# Altium PCB ZJUD_MainBoard-V3.PcbDoc (part 1 of 2) (continued)
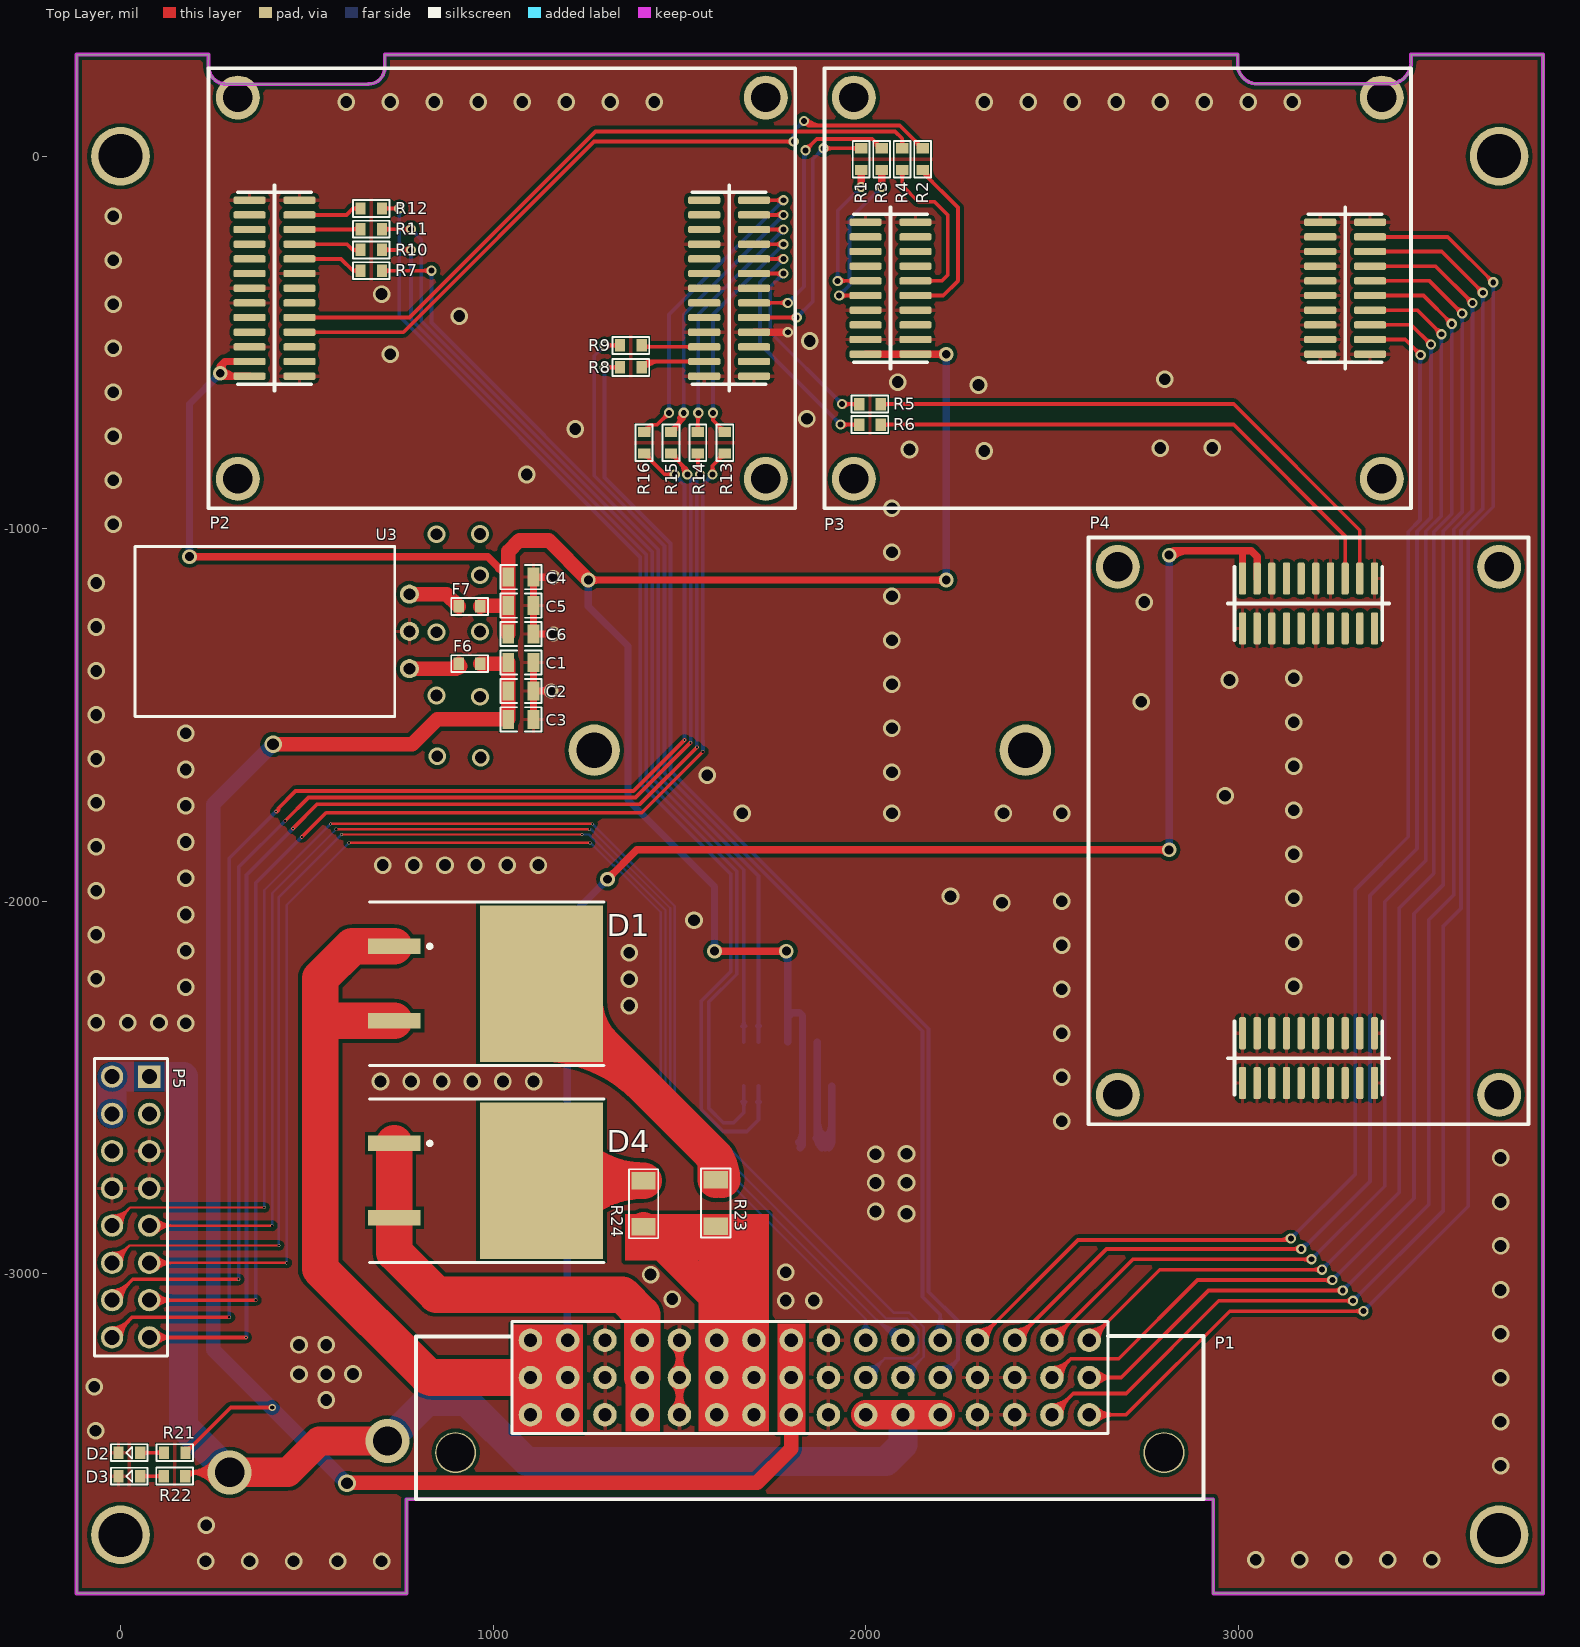
[diagram p0: Top Layer view]
## Via types (continued)

## Nets (pads, with @x,y where several pads share a name; then routed paths per layer and width w, separated by ;. In a path a pad name is that pad's centre, name@x,y a point inside that pad or via, vN(x,y) a via of type N, cw(c..) or ccw(c..) an arc to the next point about the centre after c; other vN are vias at no path point)
485_1_A: P1.13 P3.24 | length 4011.4
  Top Layer w10: P1.13@2276,-3186 2292.94,-3186 P1.13@2300.39,-3178.54 2301.46,-3178.54 2570.55,-2909.45 3137.8,-2909.45 v2(3141.73,-2905.51) ; P1.13@2300.39,-3162.05 ccw(c2300.39,-3119.66) 2330.37,-3149.63 ; P1.13@2300.39,-3152.05 ccw(c2300.39,-3085.51) 2347.44,-3132.56 ; P1.13@2316.89,-3178.54 cw(c2354.15,-3178.54) 2327.8,-3152.2 ; P1.13@2326.89,-3178.54 cw(c2388.29,-3178.54) 2344.87,-3135.13 ; 3111.03,-2909.45 ccw(c3111.03,-2874.81) v2@3135.52,-2899.3 ; P3.24@3354.33,-492.13 3448.82,-492.13 v2(3490.16,-533.46) ; v2@3481.38,-533.46 ccw(c3460.18,-533.46) 3475.17,-518.48 ccw(c3490.16,-503.49) v2@3490.16,-524.68 ; 3399.49,-492.13 ccw(c3399.49,-503.82) 3391.22,-495.55 cw(c3399.49,-503.82) 3399.49,-492.13 ; 3399.49,-492.13 cw(c3399.49,-480.44) 3391.22,-488.7 ccw(c3399.49,-480.44) 3399.49,-492.13
  Bottom Layer w10: v2(3141.73,-2905.51) 3314.96,-2732.28 3314.96,-1968.5 3456.69,-1826.77 3456.69,-1007.94 3488.27,-976.36 3488.27,-535.35 v2(3490.16,-533.46) ; v2@3141.73,-2896.73 ccw(c3141.73,-2875.54) 3156.72,-2890.52 ccw(c3171.71,-2905.51) v2@3150.51,-2905.51 ; v2@3483.95,-539.67 cw(c3473.52,-550.1) 3488.27,-550.1 ccw(c3473.52,-550.1) v2@3483.95,-539.67 ; 3488.27,-559.22 cw(c3515.92,-559.22) 3496.37,-539.67 ccw(c3515.92,-559.22) 3488.27,-559.22
485_1_B: P1.14 P3.26 | length 4148.3
  Top Layer w10: P1.14@2400.39,-3162.05 ccw(c2400.39,-3119.66) 2430.37,-3149.63 ; P1.14@2400.39,-3152.05 ccw(c2400.39,-3085.51) 2447.44,-3132.56 ; P1.14@2406.43,-3184.57 2406.43,-3173.57 2646.65,-2933.35 v2(3169.57,-2933.35) ; P1.14@2416.89,-3178.54 cw(c2454.15,-3178.54) 2427.8,-3152.2 ; P1.14@2426.89,-3178.54 cw(c2488.29,-3178.54) 2444.87,-3135.13 ; P3.26@3354.33,-452.76 3465.13,-452.76 v2(3518,-505.63) ; 3506.76,-496.47 ccw(c3520.63,-492.76) v2@3517.75,-506.82 ; 3508.84,-494.39 cw(c3505.13,-508.26) v2@3519.19,-505.38 ; 3148.38,-2933.35 ccw(c3148.38,-2912.16) 3163.36,-2927.14 cw(c3148.38,-2912.16) 3148.38,-2933.35 ; 3148.38,-2933.35 cw(c3148.38,-2954.55) 3163.36,-2939.56 ccw(c3148.38,-2954.55) 3148.38,-2933.35 ; 3399.49,-452.76 ccw(c3399.49,-464.45) 3391.22,-456.18 cw(c3399.49,-464.45) 3399.49,-452.76 ; 3399.49,-452.76 cw(c3399.49,-441.07) 3391.22,-449.33 ccw(c3399.49,-441.07) 3399.49,-452.76 ; 3503.01,-490.64 ccw(c3518,-475.65) 3518,-496.85 cw(c3518,-475.65) 3503.01,-490.64 ; 3503.01,-490.64 cw(c3488.02,-505.63) 3509.22,-505.63 ccw(c3488.02,-505.63) 3503.01,-490.64
  Bottom Layer w10: v2@3168.41,-2932.96 cw(c3184.95,-2938.51) 3180.44,-2921.66 ; v2(3169.57,-2933.35) 3172.95,-2933.35 3354.33,-2751.97 3354.33,-1984.81 3480.31,-1858.83 3480.31,-1007.37 3518,-969.68 v2(3518,-505.63) ; 3518,-526.82 ccw(c3496.8,-526.82) 3511.79,-511.83 cw(c3496.8,-526.82) 3518,-526.82 ; 3518,-526.82 cw(c3539.19,-526.82) 3524.2,-511.83 ccw(c3539.19,-526.82) 3518,-526.82 ; v2@3169.57,-2924.57 ccw(c3169.57,-2895.22) 3190.32,-2915.97 cw(c3169.57,-2895.22) v2@3169.57,-2924.57 ; v2@3178.35,-2933.35 cw(c3191.39,-2933.35) 3182.17,-2924.13 ccw(c3191.39,-2933.35) v2@3178.35,-2933.35
485_2_A: P1.15 P3.28 | length 4130.9
  Top Layer w10: P1.15@2500.39,-3178.54 2717.75,-2961.19 v2(3197.41,-2961.19) ; P1.15@2500.39,-3162.05 ccw(c2500.39,-3122.22) 2528.55,-3150.38 ccw(c2556.71,-3178.54) P1.15@2516.89,-3178.54 ; P1.15@2500.39,-3152.05 ccw(c2500.39,-3088.08) 2545.63,-3133.31 ccw(c2590.86,-3178.54) P1.15@2526.89,-3178.54 ; P3.28@3354.33,-413.39 3481.43,-413.39 v2(3545.84,-477.79) ; 3534.6,-468.63 ccw(c3548.47,-464.92) v2@3545.59,-478.98 ; 3536.68,-466.55 cw(c3532.97,-480.42) v2@3547.03,-477.54 ; 3176.21,-2961.19 ccw(c3176.21,-2939.99) 3191.2,-2954.98 cw(c3176.21,-2939.99) 3176.21,-2961.19 ; 3176.21,-2961.19 cw(c3176.21,-2982.39) 3191.2,-2967.4 ccw(c3176.21,-2982.39) 3176.21,-2961.19 ; 3399.49,-413.39 ccw(c3399.49,-425.08) 3391.22,-416.81 cw(c3399.49,-425.08) 3399.49,-413.39 ; 3399.49,-413.39 cw(c3399.49,-401.7) 3391.22,-409.96 ccw(c3399.49,-401.7) 3399.49,-413.39 ; 3530.85,-462.8 ccw(c3545.84,-447.81) 3545.84,-469.01 cw(c3545.84,-447.81) 3530.85,-462.8 ; 3530.85,-462.8 cw(c3515.86,-477.79) 3537.06,-477.79 ccw(c3515.86,-477.79) 3530.85,-462.8
  Bottom Layer w10: v2(3197.41,-2961.19) 3393.7,-2764.9 3393.7,-2001.12 3503.94,-1890.88 3503.94,-1006.79 3545.84,-964.9 v2(3545.84,-477.79) ; 3212.4,-2946.2 ccw(c3227.39,-2961.19) 3206.19,-2961.19 cw(c3227.39,-2961.19) 3212.4,-2946.2 ; 3212.4,-2946.2 cw(c3197.41,-2931.21) 3197.41,-2952.41 ccw(c3197.41,-2931.21) 3212.4,-2946.2 ; 3545.84,-498.98 ccw(c3524.64,-498.98) 3539.63,-483.99 cw(c3524.64,-498.98) 3545.84,-498.98 ; 3545.84,-498.98 cw(c3567.03,-498.98) 3552.04,-483.99 ccw(c3567.03,-498.98) 3545.84,-498.98
485_2_B: P1.16 P3.30 | length 4135.5
  Top Layer w10: P1.16@2600.39,-3178.54 2789.91,-2989.03 v2(3225.25,-2989.03) ; P1.16@2600.39,-3162.05 ccw(c2600.39,-3122.22) 2628.55,-3150.38 ccw(c2656.71,-3178.54) P1.16@2616.89,-3178.54 ; P1.16@2600.39,-3152.05 ccw(c2600.39,-3088.08) 2645.63,-3133.31 ccw(c2690.86,-3178.54) P1.16@2626.89,-3178.54 ; P3.30@3354.33,-374.02 3497.74,-374.02 v2(3573.67,-449.95) ; 3562.44,-440.79 ccw(c3576.31,-437.08) v2@3573.43,-451.14 ; 3564.52,-438.72 cw(c3560.81,-452.58) v2@3574.87,-449.7 ; 3204.05,-2989.03 ccw(c3204.05,-2967.83) 3219.04,-2982.82 cw(c3204.05,-2967.83) 3204.05,-2989.03 ; 3204.05,-2989.03 cw(c3204.05,-3010.22) 3219.04,-2995.24 ccw(c3204.05,-3010.22) 3204.05,-2989.03 ; 3399.49,-374.02 ccw(c3399.49,-385.71) 3391.22,-377.44 cw(c3399.49,-385.71) 3399.49,-374.02 ; 3399.49,-374.02 cw(c3399.49,-362.32) 3391.22,-370.59 ccw(c3399.49,-362.32) 3399.49,-374.02 ; 3558.69,-434.96 ccw(c3573.67,-419.97) 3573.67,-441.17 cw(c3573.67,-419.97) 3558.69,-434.96 ; 3558.69,-434.96 cw(c3543.7,-449.95) 3564.89,-449.95 ccw(c3543.7,-449.95) 3558.69,-434.96
  Bottom Layer w10: v2(3225.25,-2989.03) 3433.07,-2781.21 3433.07,-2017.43 3525.35,-1925.14 3525.35,-1008.43 3573.67,-960.11 v2(3573.67,-449.95) ; 3240.24,-2974.04 ccw(c3255.22,-2989.03) 3234.03,-2989.03 cw(c3255.22,-2989.03) 3240.24,-2974.04 ; 3240.24,-2974.04 cw(c3225.25,-2959.05) 3225.25,-2980.25 ccw(c3225.25,-2959.05) 3240.24,-2974.04 ; 3573.67,-471.14 ccw(c3552.48,-471.14) 3567.47,-456.16 cw(c3552.48,-471.14) 3573.67,-471.14 ; 3573.67,-471.14 cw(c3594.87,-471.14) 3579.88,-456.16 ccw(c3594.87,-471.14) 3573.67,-471.14
485_3_A: P1.31 P3.32 | length 4381.5
  Top Layer w10: P1.31@2500.39,-3278.54 2550.94,-3228 2680,-3228 2891.13,-3016.87 v2(3253.09,-3016.87) ; P1.31@2500.39,-3262.05 ccw(c2500.39,-3222.22) 2528.55,-3250.38 ccw(c2556.71,-3278.54) P1.31@2516.89,-3278.54 ; P1.31@2500.39,-3252.05 ccw(c2500.39,-3188.08) 2545.63,-3233.31 ccw(c2590.86,-3278.54) P1.31@2526.89,-3278.54 ; P3.32@3354.33,-334.65 3514.05,-334.65 v2(3601.51,-422.11) ; 3590.28,-412.96 ccw(c3604.15,-409.24) v2@3601.27,-423.3 ; 3592.36,-410.88 cw(c3588.64,-424.74) v2@3602.71,-421.86 ; 3231.89,-3016.87 ccw(c3231.89,-2995.67) 3246.88,-3010.66 cw(c3231.89,-2995.67) 3231.89,-3016.87 ; 3231.89,-3016.87 cw(c3231.89,-3038.06) 3246.88,-3023.08 ccw(c3231.89,-3038.06) 3231.89,-3016.87 ; 3399.49,-334.65 ccw(c3399.49,-346.34) 3391.22,-338.07 cw(c3399.49,-346.34) 3399.49,-334.65 ; 3399.49,-334.65 cw(c3399.49,-322.95) 3391.22,-331.22 ccw(c3399.49,-322.95) 3399.49,-334.65 ; 3586.53,-407.12 ccw(c3601.51,-392.13) 3601.51,-413.33 cw(c3601.51,-392.13) 3586.53,-407.12 ; 3586.53,-407.12 cw(c3571.54,-422.11) 3592.73,-422.11 ccw(c3571.54,-422.11) 3586.53,-407.12
  Bottom Layer w10: v2(3253.09,-3016.87) 3472.44,-2797.51 3472.44,-2033.73 3551.18,-1954.99 3551.18,-1005.65 3601.51,-955.32 v2(3601.51,-422.11) ; 3268.08,-3001.88 ccw(c3283.06,-3016.87) 3261.87,-3016.87 cw(c3283.06,-3016.87) 3268.08,-3001.88 ; 3268.08,-3001.88 cw(c3253.09,-2986.89) 3253.09,-3008.09 ccw(c3253.09,-2986.89) 3268.08,-3001.88 ; 3601.51,-443.3 ccw(c3580.32,-443.3) 3595.31,-428.32 cw(c3580.32,-443.3) 3601.51,-443.3 ; 3601.51,-443.3 cw(c3622.71,-443.3) 3607.72,-428.32 ccw(c3622.71,-443.3) 3601.51,-443.3
485_3_B: P1.32 P3.34 | length 4549.1
  Top Layer w10: P1.32@2600.39,-3278.54 2686.46,-3278.54 2920.29,-3044.71 v2(3280.93,-3044.71) ; P3.34@3354.33,-295.28 3530.36,-295.28 v2(3629.35,-394.27) ; 3618.12,-385.12 ccw(c3631.99,-381.4) v2@3629.11,-395.47 ; 3620.2,-383.04 cw(c3616.48,-396.91) v2@3630.55,-394.03 ; 2640.22,-3278.54 ccw(c2640.22,-3318.37) 2612.06,-3290.21 cw(c2640.22,-3318.37) 2640.22,-3278.54 ; 2640.22,-3278.54 cw(c2640.22,-3238.72) 2612.06,-3266.88 ccw(c2640.22,-3238.72) 2640.22,-3278.54 ; 2664.36,-3278.54 ccw(c2664.36,-3342.51) 2619.13,-3297.28 cw(c2664.36,-3342.51) 2664.36,-3278.54 ; 2664.36,-3278.54 cw(c2664.36,-3214.58) 2619.13,-3259.81 ccw(c2664.36,-3214.58) 2664.36,-3278.54 ; 3259.73,-3044.71 ccw(c3259.73,-3023.51) 3274.72,-3038.5 cw(c3259.73,-3023.51) 3259.73,-3044.71 ; 3259.73,-3044.71 cw(c3259.73,-3065.9) 3274.72,-3050.91 ccw(c3259.73,-3065.9) 3259.73,-3044.71 ; 3399.49,-295.28 ccw(c3399.49,-306.97) 3391.22,-298.7 cw(c3399.49,-306.97) 3399.49,-295.28 ; 3399.49,-295.28 cw(c3399.49,-283.58) 3391.22,-291.85 ccw(c3399.49,-283.58) 3399.49,-295.28 ; 3614.36,-379.28 ccw(c3629.35,-364.3) 3629.35,-385.49 cw(c3629.35,-364.3) 3614.36,-379.28 ; 3614.36,-379.28 cw(c3599.38,-394.27) 3620.57,-394.27 ccw(c3599.38,-394.27) 3614.36,-379.28
  Bottom Layer w10: v2(3280.93,-3044.71) 3511.81,-2813.82 3511.81,-2050.04 3578.74,-1983.11 3578.74,-1001.14 3629.35,-950.53 v2(3629.35,-394.27) ; 3295.91,-3029.72 ccw(c3310.9,-3044.71) 3289.71,-3044.71 cw(c3310.9,-3044.71) 3295.91,-3029.72 ; 3295.91,-3029.72 cw(c3280.93,-3014.73) 3280.93,-3035.93 ccw(c3280.93,-3014.73) 3295.91,-3029.72 ; 3629.35,-415.47 ccw(c3608.16,-415.47) 3623.14,-400.48 cw(c3608.16,-415.47) 3629.35,-415.47 ; 3629.35,-415.47 cw(c3650.55,-415.47) 3635.56,-400.48 ccw(c3650.55,-415.47) 3629.35,-415.47
485_4_A: P1.47 P3.36 | length 4632.1
  Top Layer w10: P1.47@2500.39,-3378.54 2557.6,-3321.34 2699.66,-3321.34 2948.45,-3072.55 v2(3308.77,-3072.55) ; P1.47@2500.39,-3362.05 ccw(c2500.39,-3322.22) 2528.55,-3350.38 ccw(c2556.71,-3378.54) P1.47@2516.89,-3378.54 ; P1.47@2500.39,-3352.05 ccw(c2500.39,-3288.08) 2545.63,-3333.31 ccw(c2590.86,-3378.54) P1.47@2526.89,-3378.54 ; P3.36@3354.33,-255.91 3546.67,-255.91 v2(3657.19,-366.43) ; 3645.96,-357.28 ccw(c3659.83,-353.56) v2@3656.95,-367.63 ; 3648.04,-355.2 cw(c3644.32,-369.07) v2@3658.39,-366.19 ; 3287.57,-3072.55 ccw(c3287.57,-3051.35) 3302.56,-3066.34 cw(c3287.57,-3051.35) 3287.57,-3072.55 ; 3287.57,-3072.55 cw(c3287.57,-3093.74) 3302.56,-3078.75 ccw(c3287.57,-3093.74) 3287.57,-3072.55 ; 3399.49,-255.91 ccw(c3399.49,-267.6) 3391.22,-259.33 cw(c3399.49,-267.6) 3399.49,-255.91 ; 3399.49,-255.91 cw(c3399.49,-244.21) 3391.22,-252.48 ccw(c3399.49,-244.21) 3399.49,-255.91 ; 3642.2,-351.44 ccw(c3657.19,-336.46) 3657.19,-357.65 cw(c3657.19,-336.46) 3642.2,-351.44 ; 3642.2,-351.44 cw(c3627.22,-366.43) 3648.41,-366.43 ccw(c3627.22,-366.43) 3642.2,-351.44
  Bottom Layer w10: v2(3308.77,-3072.55) 3551.18,-2830.13 3551.18,-2066.35 3598.43,-2019.11 3598.43,-1004.51 3657.19,-945.74 v2(3657.19,-366.43) ; 3323.75,-3057.56 ccw(c3338.74,-3072.55) 3317.55,-3072.55 cw(c3338.74,-3072.55) 3323.75,-3057.56 ; 3323.75,-3057.56 cw(c3308.77,-3042.57) 3308.77,-3063.77 ccw(c3308.77,-3042.57) 3323.75,-3057.56 ; 3657.19,-387.63 ccw(c3636,-387.63) 3650.98,-372.64 cw(c3636,-387.63) 3657.19,-387.63 ; 3657.19,-387.63 cw(c3678.39,-387.63) 3663.4,-372.64 ccw(c3678.39,-387.63) 3657.19,-387.63
485_4_B: P1.48 P3.38 | length 4471.7
  Top Layer w10: P1.48@2600.39,-3378.54 2699.46,-3378.54 2977.62,-3100.38 v2(3336.6,-3100.38) ; P1.48@2612.06,-3390.21 cw(c2640.22,-3418.37) 2640.22,-3378.54 cw(c2640.22,-3338.72) P1.48@2612.06,-3366.88 ; P1.48@2619.13,-3397.28 cw(c2664.36,-3442.51) 2664.36,-3378.54 cw(c2664.36,-3314.58) P1.48@2619.13,-3359.81 ; v2@3330.4,-3106.59 ccw(c3315.41,-3121.58) 3315.41,-3100.38 ccw(c3315.41,-3079.19) v2@3330.4,-3094.18 ; P3.38@3354.33,-216.54 3562.97,-216.54 v2(3685.03,-338.59) ; v2@3676.25,-338.59 ccw(c3655.05,-338.59) 3670.04,-323.6 ccw(c3685.03,-308.62) v2@3685.03,-329.81 ; 3399.49,-216.54 ccw(c3399.49,-228.23) 3391.22,-219.96 cw(c3399.49,-228.23) 3399.49,-216.54 ; 3399.49,-216.54 cw(c3399.49,-204.84) 3391.22,-213.11 ccw(c3399.49,-204.84) 3399.49,-216.54
  Bottom Layer w10: v2(3336.6,-3100.38) 3618.11,-2818.88 3618.11,-1007.87 3685.03,-940.95 v2(3685.03,-338.59) ; v2@3336.6,-3091.6 ccw(c3336.6,-3070.41) 3351.59,-3085.4 ccw(c3366.58,-3100.38) v2@3345.38,-3100.38 ; v2@3678.82,-344.8 cw(c3663.83,-359.79) 3685.03,-359.79 cw(c3706.23,-359.79) v2@3691.24,-344.8
+5V: C4.2 C5.2 C6.2 C7.2 F7.2 P2.1 P2.3 P3.1 P3.2 U1.10 U1.11 U1.12 | length 6718.9
  Top Layer w19.68: v4(185.04,-1074.8) 986,-1074.8 C4.2@1041.12,-1129.92 ; v4@192,-1081.76 cw(c208.8,-1098.56) 208.8,-1074.8 cw(c208.8,-1051.04) v4@192,-1067.84 ; v4@275.2,-589.07 cw(c285.71,-598.06) 292.63,-586.08 ; P2.1@346.46,-590.55 275.59,-590.55 v4(267.72,-582.68) 267.72,-562.99 279.53,-551.18 ; P2.3@346.46,-551.18 279.53,-551.18 ; 1015.53,-1107.32 cw(c1006.8,-1139.9) C4.2@1036.01,-1123.03 ; v4(1255.91,-1137.8) v4(2216.54,-1137.8) ; v4@1262.87,-1144.75 cw(c1279.67,-1161.56) 1279.67,-1137.8 cw(c1279.67,-1114.03) v4@1262.87,-1130.84 ; v4(1594.49,-2133.86) v4(1787.4,-2133.86) ; v4@1601.45,-2140.82 cw(c1618.25,-2157.62) 1618.25,-2133.86 cw(c1618.25,-2110.1) v4@1601.45,-2126.9 ; v4@1780.44,-2140.82 ccw(c1763.64,-2157.62) 1763.64,-2133.86 ccw(c1763.64,-2110.1) v4@1780.44,-2126.9 ; P3.1@2000,-531.5 P3.2@2133.86,-531.5 v4(2216.54,-531.5) ; v4@2209.58,-1144.75 ccw(c2192.77,-1161.56) 2192.77,-1137.8 ccw(c2192.77,-1114.03) v4@2209.58,-1130.84 ; v4@2209.58,-538.46 ccw(c2192.77,-555.26) 2192.77,-531.5 ccw(c2192.77,-507.73) v4@2209.58,-524.54 ; 279.53,-551.18 ccw(c294.92,-566.58) 276.19,-577.66 cw(c294.92,-566.58) 279.53,-551.18 ; v4@274.68,-575.72 ccw(c310.49,-539.91) 310.49,-590.55 cw(c310.49,-539.91) v4@274.68,-575.72 ; 1014.24,-1103.04 ccw(c1041.12,-1076.15) 1041.12,-1114.17 cw(c1041.12,-1076.15) 1014.24,-1103.04
  Top Layer w39.37: F7.2@965.98,-1208.66 968.34,-1206.3 C5.2@1041.12,-1206.3 ; C6.2@1041.12,-1282.68 C5.2@1041.12,-1206.3 ; v4(1255.91,-1137.8) 1149.61,-1031.5 1070.87,-1031.5 1041.12,-1061.24 C4.2@1041.12,-1129.92 C5.2@1041.12,-1206.3
  Bottom Layer w19.68: v4@178.08,-1067.84 ccw(c161.28,-1051.04) 185.04,-1051.04 ccw(c208.8,-1051.04) v4@192,-1067.84 ; v4(185.04,-1074.8) 185.04,-665.35 v4(267.72,-582.68) ; v4@257.87,-582.68 cw(c234.11,-582.68) 250.91,-599.48 cw(c267.72,-616.28) v4@267.72,-592.52 ; v4@1248.95,-1144.75 cw(c1232.14,-1161.56) 1255.91,-1161.56 cw(c1279.67,-1161.56) v4@1262.87,-1144.75 ; v4(1255.91,-1137.8) 1255.91,-1208.66 1362.2,-1314.96 1362.2,-1728.35 1594.49,-1960.63 v4(1594.49,-2133.86) ; v4@1587.53,-2126.9 ccw(c1570.73,-2110.1) 1594.49,-2110.1 ccw(c1618.25,-2110.1) v4@1601.45,-2126.9 ; v4@1780.44,-2140.82 cw(c1754.13,-2167.13) 1791.34,-2167.13 ; v4(1787.4,-2133.86) 1791.34,-2129.92 1791.34,-2311.02 ; U1.10@1791.34,-2377.95 1791.34,-2311.02 ; C7.2@1824.59,-2661.42 1830.71,-2655.3 U1.11@1830.71,-2496.06 U1.12@1830.71,-2377.95 1830.71,-2307.09 1822.83,-2299.21 1803.15,-2299.21 1791.34,-2311.02 ; 1827.86,-2634.49 ccw(c1837.85,-2640.26) C7.2@1829.08,-2647.74 ; v4@2209.58,-1130.84 ccw(c2192.77,-1114.03) 2216.54,-1114.03 ccw(c2240.3,-1114.03) v4@2223.5,-1130.84 ; v4@2209.58,-538.46 cw(c2192.77,-555.26) 2216.54,-555.26 cw(c2240.3,-555.26) v4@2223.5,-538.46 ; v4(2216.54,-1137.8) v4(2216.54,-531.5) ; C7.2@1820.41,-2647.4 ccw(c1795.55,-2622.54) 1830.71,-2622.54 cw(c1795.55,-2622.54) C7.2@1820.41,-2647.4
ADIS_SPI2_CS: R7.2 U1.6 | length 2751.8
  Top Layer w10: R7.2@702.2,-307.09 v2(834.65,-307.09) ; v2@828.44,-313.29 ccw(c813.45,-328.28) 813.45,-307.09 ccw(c813.45,-285.89) v2@828.44,-300.88 ; 723.39,-307.09 ccw(c723.39,-328.28) 708.41,-313.29 cw(c723.39,-328.28) 723.39,-307.09 ; 723.39,-307.09 cw(c723.39,-285.89) 708.41,-300.88 ccw(c723.39,-285.89) 723.39,-307.09
  Bottom Layer w10: v2@828.44,-313.29 cw(c813.45,-328.28) 834.65,-328.28 cw(c855.84,-328.28) v2@840.85,-313.29 ; v2(834.65,-307.09) 834.65,-446.6 1443.78,-1055.73 1443.78,-1663.11 1712.6,-1931.93 U1.6@1712.6,-2377.95 ; 1712.6,-2324.11 ccw(c1729.04,-2324.11) 1717.41,-2335.74 cw(c1729.04,-2324.11) 1712.6,-2324.11 ; 1712.6,-2324.11 cw(c1696.16,-2324.11) 1707.78,-2335.74 ccw(c1696.16,-2324.11) 1712.6,-2324.11
ADIS_SPI2_MISO: R11.2 U1.4 | length 2814.4
  Top Layer w10: R11.2@702.2,-195.91 v2(779.53,-195.91) ; v2@773.32,-202.12 ccw(c758.33,-217.11) 758.33,-195.91 ccw(c758.33,-174.71) v2@773.32,-189.7 ; 723.39,-195.91 ccw(c723.39,-217.11) 708.41,-202.12 cw(c723.39,-217.11) 723.39,-195.91 ; 723.39,-195.91 cw(c723.39,-174.71) 708.41,-189.7 ccw(c723.39,-174.71) 723.39,-195.91
  Bottom Layer w10: v2@779.53,-204.69 cw(c779.53,-225.89) 794.52,-210.9 cw(c809.5,-195.91) v2@788.31,-195.91 ; v2(779.53,-195.91) 807.09,-223.47 807.09,-442.09 1427.48,-1062.48 1427.48,-1669.86 1673.23,-1915.61 U1.4@1673.23,-2377.95 ; 1673.23,-2324.11 ccw(c1689.67,-2324.11) 1678.04,-2335.74 cw(c1689.67,-2324.11) 1673.23,-2324.11 ; 1673.23,-2324.11 cw(c1656.79,-2324.11) 1668.41,-2335.74 ccw(c1656.79,-2324.11) 1673.23,-2324.11
ADIS_SPI2_MOSI: R12.2 U1.5 | length 3365.5
  Top Layer w10: R12.2@702.2,-140.32 v2(748.03,-140.32) ; 723.39,-140.32 ccw(c723.39,-161.52) 708.41,-146.53 cw(c723.39,-161.52) 723.39,-140.32 ; 723.39,-140.32 cw(c723.39,-119.13) 708.41,-134.11 ccw(c723.39,-119.13) 723.39,-140.32 ; 726.84,-140.32 ccw(c726.84,-119.13) 741.82,-134.11 cw(c726.84,-119.13) 726.84,-140.32 ; 726.84,-140.32 cw(c726.84,-161.52) 741.82,-146.53 ccw(c726.84,-161.52) 726.84,-140.32
  Bottom Layer w10: v2@741.82,-146.53 cw(c726.84,-161.52) 748.03,-161.52 cw(c769.23,-161.52) v2@754.24,-146.53 ; v2(748.03,-140.32) 748.03,-429.13 1394.88,-1075.98 1394.88,-1683.36 1637.8,-1926.28 1637.8,-2188.98 1559.06,-2267.72 1559.06,-2559.06 1618.11,-2618.11 1681.1,-2618.11 1712.6,-2586.61 U1.5@1712.6,-2496.06 ; 1712.6,-2549.91 ccw(c1696.16,-2549.91) 1707.78,-2538.28 cw(c1696.16,-2549.91) 1712.6,-2549.91 ; 1712.6,-2549.91 cw(c1729.04,-2549.91) 1717.41,-2538.28 ccw(c1729.04,-2549.91) 1712.6,-2549.91
ADIS_SPI2_SCK: R10.2 U1.3 | length 3185.6
  Top Layer w10: R10.2@702.2,-251.5 v2(779.53,-251.5) ; v2@773.32,-257.71 ccw(c758.33,-272.69) 758.33,-251.5 ccw(c758.33,-230.3) v2@773.32,-245.29 ; 723.39,-251.5 ccw(c723.39,-272.69) 708.41,-257.71 cw(c723.39,-272.69) 723.39,-251.5 ; 723.39,-251.5 cw(c723.39,-230.3) 708.41,-245.29 ccw(c723.39,-230.3) 723.39,-251.5
  Bottom Layer w10: v2(779.53,-251.5) 779.53,-437.58 1411.18,-1069.23 1411.18,-1676.61 1654.09,-1919.52 1654.09,-2195.73 1578.74,-2271.08 1578.74,-2555.12 1618.11,-2594.49 1645.67,-2594.49 1673.23,-2566.93 U1.3@1673.23,-2496.06 ; 779.53,-272.69 ccw(c758.33,-272.69) 773.32,-257.71 cw(c758.33,-272.69) 779.53,-272.69 ; 779.53,-272.69 cw(c800.72,-272.69) 785.74,-257.71 ccw(c800.72,-272.69) 779.53,-272.69 ; 1673.23,-2549.91 ccw(c1656.79,-2549.91) 1668.41,-2538.28 cw(c1656.79,-2549.91) 1673.23,-2549.91 ; 1673.23,-2549.91 cw(c1689.67,-2549.91) 1678.04,-2538.28 ccw(c1689.67,-2549.91) 1673.23,-2549.91
BACK_MODULE_RX: P1.28 R8.2 | length 3495.7
  Top Layer w10: v2(1299.21,-566.93) R8.2@1341.11,-566.93 ; 1319.91,-566.93 ccw(c1319.91,-545.73) 1334.9,-560.72 cw(c1319.91,-545.73) 1319.91,-566.93 ; 1319.91,-566.93 cw(c1319.91,-588.12) 1334.9,-573.14 ccw(c1319.91,-588.12) 1319.91,-566.93 ; 1320.41,-566.93 ccw(c1320.41,-588.12) 1305.42,-573.14 cw(c1320.41,-588.12) 1320.41,-566.93 ; 1320.41,-566.93 cw(c1320.41,-545.73) 1305.42,-560.72 ccw(c1320.41,-545.73) 1320.41,-566.93
  Bottom Layer w10: v2@1293,-573.14 cw(c1278.02,-588.12) 1299.21,-588.12 cw(c1320.41,-588.12) v2@1305.42,-573.14 ; v2(1299.21,-566.93) 1299.21,-862.2 1476.38,-1039.37 1476.38,-1649.61 2169.29,-2342.52 2169.29,-3048.29 2248,-3127 2248,-3230.94 P1.28@2200.39,-3278.54 ; P1.28@2200.39,-3262.05 ccw(c2200.39,-3222.22) 2228.55,-3250.38 ccw(c2256.71,-3278.54) P1.28@2216.89,-3278.54 ; P1.28@2200.39,-3252.05 ccw(c2200.39,-3188.08) 2245.63,-3233.31 ccw(c2290.86,-3278.54) P1.28@2226.89,-3278.54
BACK_MODULE_TX: P1.12 R9.2 | length 3438.2
  Top Layer w10: v2(1299.21,-507.87) R9.2@1341.11,-507.87 ; 1319.91,-507.87 ccw(c1319.91,-486.68) 1334.9,-501.67 cw(c1319.91,-486.68) 1319.91,-507.87 ; 1319.91,-507.87 cw(c1319.91,-529.07) 1334.9,-514.08 ccw(c1319.91,-529.07) 1319.91,-507.87 ; 1320.41,-507.87 ccw(c1320.41,-529.07) 1305.42,-514.08 cw(c1320.41,-529.07) 1320.41,-507.87 ; 1320.41,-507.87 cw(c1320.41,-486.68) 1305.42,-501.67 ccw(c1320.41,-486.68) 1320.41,-507.87
  Bottom Layer w10: v2@1290.43,-507.87 cw(c1269.24,-507.87) 1284.22,-522.86 cw(c1299.21,-537.85) v2@1299.21,-516.65 ; v2(1299.21,-507.87) 1271.65,-535.43 1271.65,-857.7 1460.08,-1046.12 1460.08,-1656.36 2152.99,-2349.27 2152.99,-3061.99 2200.39,-3109.39 P1.12@2200.39,-3178.54 ; P1.12@2181.66,-3159.81 ccw(c2136.43,-3114.58) 2200.39,-3114.58 ccw(c2264.36,-3114.58) P1.12@2219.13,-3159.81 ; P1.12@2188.73,-3166.88 ccw(c2160.57,-3138.72) 2200.39,-3138.72 ccw(c2240.22,-3138.72) P1.12@2212.06,-3166.88
BUTTON_UP+: P1.26 P5.9 | length 4630.1
  Top Layer w6.3: P5.9@77.29,-2870.79 v3@407,-2870.79 ; P5.9@87.36,-2880.86 cw(c111.69,-2905.19) 111.69,-2870.79 cw(c111.69,-2836.38) P5.9@87.36,-2860.71 ; P5.9@91.82,-2885.32 cw(c126.9,-2920.4) 126.9,-2870.79 cw(c126.9,-2821.17) P5.9@91.82,-2856.26 ; P5.9@96.27,-2889.77 cw(c142.11,-2935.61) 142.11,-2870.79 cw(c142.11,-2805.96) P5.9@96.27,-2851.8 ; v3(579.04,-1806.67) 1258.67,-1806.67 v3(1259,-1807) v3@1259,-1808
  Bottom Layer w6.3: v3(407,-2871) 407,-1978.71 v3(579.04,-1806.67) ; v3@1259.74,-1806.57 ccw(c1263.94,-1804.15) 1262.69,-1808.84 ; v3@1260.93,-1806.67 1263.36,-1806.67 1475.59,-2018.9 1475.59,-2540.59 2055,-3120 2112,-3120 2142,-3150 2142,-3212 2127,-3227 2051.94,-3227 P1.26@2000.39,-3278.54 ; P1.26@2000.39,-3262.8 ccw(c2000.39,-3224.78) 2027.28,-3251.66 ccw(c2054.16,-3278.54) P1.26@2016.14,-3278.54 ; P1.26@2000.39,-3256.5 ccw(c2000.39,-3203.27) 2038.03,-3240.91 ccw(c2075.67,-3278.54) P1.26@2022.44,-3278.54 ; P1.26@2000.39,-3250.2 ccw(c2000.39,-3181.76) 2048.78,-3230.15 ccw(c2097.17,-3278.54) P1.26@2028.74,-3278.54 ; v3@1259,-1807.85 cw(c1259,-1821.23) 1268.46,-1811.77 ccw(c1259,-1821.23) v3@1259,-1807.85
BUTTON_UP-: P1.27 P5.10 | length 4619.6
  Top Layer w6.3: P5.10@-22.71,-2870.79 26.07,-2822 v3(386,-2822) ; P5.10@-22.71,-2856.53 ccw(c-22.71,-2822.13) 1.62,-2846.46 ccw(c25.95,-2870.79) P5.10@-8.46,-2870.79 ; P5.10@-22.71,-2850.24 ccw(c-22.71,-2800.62) 12.37,-2835.7 ccw(c47.45,-2870.79) P5.10@-2.16,-2870.79 ; P5.10@-22.71,-2843.94 ccw(c-22.71,-2779.11) 23.12,-2824.95 ccw(c68.96,-2870.79) P5.10@4.14,-2870.79 ; v3(564,-1792.37) v3@1267,-1792.37
  Bottom Layer w6.3: v3(386,-2822) 386,-1970.37 v3(564,-1792.37) ; v3@1268.58,-1794.07 1488.19,-2013.68 1488.19,-2517.19 2076,-3105 2118,-3105 2156,-3143 2156,-3222.94 P1.27@2100.39,-3278.54 ; P1.27@2100.39,-3262.8 ccw(c2100.39,-3224.78) 2127.28,-3251.66 ccw(c2154.16,-3278.54) P1.27@2116.14,-3278.54 ; P1.27@2100.39,-3256.5 ccw(c2100.39,-3203.27) 2138.03,-3240.91 ccw(c2175.67,-3278.54) P1.27@2122.44,-3278.54 ; P1.27@2100.39,-3250.2 ccw(c2100.39,-3181.76) 2148.78,-3230.15 ccw(c2197.17,-3278.54) P1.27@2128.74,-3278.54
  other v3: 1267,-1792